# Altium PCB V5+_CORE_RC02.PcbDoc (part 2 of 3)
Units mm, origin at the board's own origin, x right, y up, seen from the top; angles counter-clockwise.
Board outline 33.75 x 33.75 mm, 6 copper layers (Top Layer, GND, S1, S2, POWER, Bottom Layer), stack 1.231 mm thick; 202 components, 273 nets, 965 pads, 543 vias.
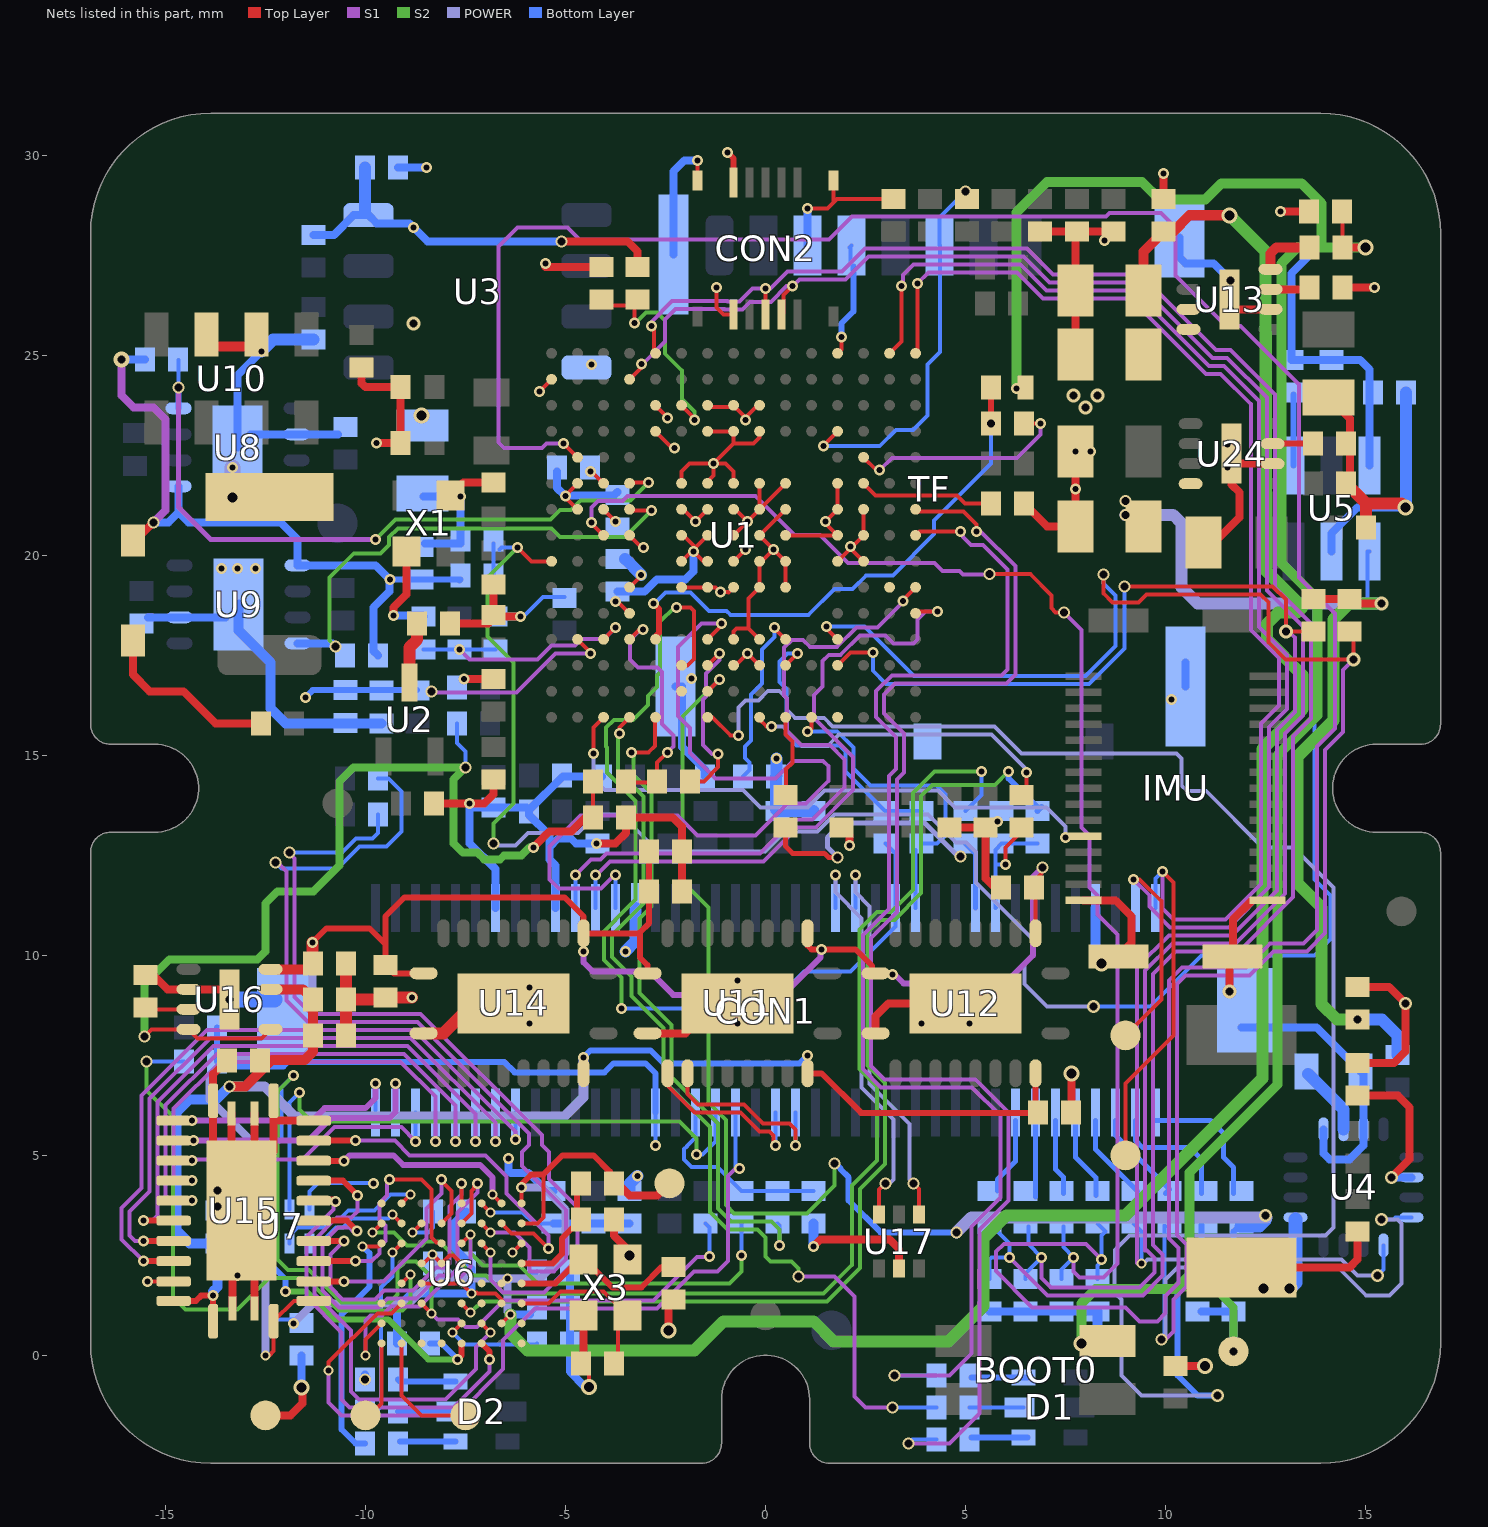
[diagram p6: the nets of this part, all layers, seen from the top]

## Via types
v1: diameter 0.275, hole 0.15, Top Layer to Bottom Layer, tented both sides, 374 vias
v2: diameter 0.3, hole 0.2, Top Layer to Bottom Layer, tented both sides, 85 vias
v3: diameter 0.25, hole 0.15, Top Layer to Bottom Layer, tented both sides, 26 vias
v4: diameter 0.325, hole 0.2, Top Layer to Bottom Layer, tented both sides, 15 vias
v5: diameter 0.35, hole 0.2, Top Layer to Bottom Layer, tented both sides, 15 vias
v6: diameter 0.4, hole 0.25, Top Layer to Bottom Layer, tented both sides, 14 vias
v7: diameter 0.4, hole 0.25, Top Layer to Bottom Layer, tented bottom, 7 vias
v8: diameter 0.4, hole 0.2, Top Layer to Bottom Layer, tented both sides, 2 vias
v9: diameter 0.5, hole 0.3, Top Layer to Bottom Layer, tented both sides, 2 vias
v10: diameter 0.6, hole 0.6, Top Layer to Bottom Layer, tented both sides, 2 vias
v11: diameter 0.55, hole 0.35, Top Layer to Bottom Layer, tented both sides, 1 vias

## Nets (pads, with @x,y where several pads share a name; then routed paths per layer and width w, separated by ;. In a path a pad name is that pad's centre, name@x,y a point inside that pad or via, vN(x,y) a via of type N, cw(c..) or ccw(c..) an arc to the next point about the centre after c; other vN are vias at no path point) (continued)
FMU_RSSI_IN: R27.1 U1.R5 | length 16.7
  Top Layer w0.1: v1(-3.351,15.075) -2.925,15.075 -2.763,15.237 -2.763,15.83 -2.817,15.883 U1.R5@-2.75,15.95
  S2 w0.1: v1(-3.351,15.075) -3.301,15.075 -3.301,14.508 -2.85,14.057 -2.85,11.217 -3.15,10.917 -3.15,9.06 -2.35,8.26 -2.35,6.957 -1.188,5.795 -1.188,3.67 -0.868,3.35 0.15,3.35 0.35,3.15 v1(0.35,2.75)
  Bottom Layer w0.1: R27.1@0.3,3.29 0.35,3.24 v1(0.35,2.75)
FMU_SAFETY_SWITCH_IN: R19.1 U1.R9 | length 8
  Top Layer w0.1: U1.R9@-0.15,15.9 0.024,15.725 v1(0.15,15.725) ; R19.1@6.5,14.01 6.525,14.035 v1(6.525,14.575)
  POWER w0.1: v1(0.15,15.725) 0.422,15.725 0.91,15.238 1.555,15.238 1.842,15.525 5.645,15.525 v1@6.525,14.644
FMU_SWCLK: CON1.2 FMU-SWCLK.0 U1.A14 | length 34.3
  Top Layer w0.1: U1.A14@3.1,25.05 3.4,25.35 v1(3.4,26.726) ; FMU-SWCLK.0@9,8 9.9,8.9 9.9,11.351 9.35,11.9 v1(9.2,11.9)
  S1 w0.1: v1(3.4,26.726) 3.437,26.763 3.437,27.012 3.7,27.275 6.368,27.275 7.018,26.625 9.204,26.625 11.091,24.737 11.459,24.737 12.338,23.859 12.338,18.212 13.038,17.512 13.038,16.162 12.588,15.712 12.588,11.704 11.584,10.7 10.117,10.7 9.6,11.217 9.6,11.5 9.251,11.849 v1(9.2,11.9)
FMU_SWDIO: CON1.1 FMU-SWDIO.0 U1.A15 | length 36.6
  Top Layer w0.1: U1.A15@3.75,25.05 3.8,25.1 v1(3.8,26.8) ; FMU-SWDIO.0@9,5 9,6.8 10.2,8 10.2,11.824 v1(9.925,12.1)
  S1 w0.1: v1(3.8,26.8) 4.074,27.075 6.285,27.075 6.935,26.425 9.121,26.425 11.008,24.537 11.376,24.537 12.138,23.776 12.138,18.129 12.838,17.429 12.838,16.245 12.388,15.795 12.388,11.787 11.501,10.9 10.2,10.9 9.925,11.175 v1(9.925,12.1)
  Bottom Layer w0.1: CON1.1@9.746,11.186 9.746,11.921 v1(9.925,12.1)
FMU_VDD_3V3_SPEKTRUM_EN: U1.B1 | length 0.4
  Top Layer w0.1: v1(-5.65,24.1) U1.B1@-5.35,24.4
GND: C1.1 C2.1 C3.2 C4.2 C5.1 C6.1 C7.1 C8.1 C9.1 C10.1 C11.1 C12.1 C13.1 C14.2 C15.2 C16.2 C17.C C18.1 C19.2 C20.2 C21.2 C22.2 C23.1 C24.2 C25.1 C26.1 C27.1 C28.1 C29.1 C30.2 C31.2 C32.1 C33.1 C34.1 C35.1 C36.1 C37.1 C38.2 C39.2 C40.2 C41.2 C42.2 C43.2 C44.1 C45.1 C46.2 C47.1 C48.1 C49.1 C50.1 C51.1 C52.2 C53.1 C54.2 C55.2 C56.1 C57.1 C58.1 C59.1 C60.2 C61.1 C62.1 C63.1 C64.1 C65.1 C66.1 C67.1 C69.2 C70.2 C71.1 C72.2 C73.2 CON1.4 CON1.27 CON1.31 CON1.34 CON1.PAD CON2.1 CON2.10 D5.2 GND.0 IMU.1 IMU.30 R3.2 R4.1 R6.1 R13.2 R14.2 R33.1 R36.1 R38.1 R63.2 R64.2 R70.2 R72.1 R78.2 R80.2 R83.2 R90.1 R93.1 R95.1 TF.6 TF.9 U1.D5 U1.D7 U1.D8 U1.D9 U1.F2 U1.F6 U1.F7 U1.F8 U1.F9 U1.F10 U1.F12 U1.G2 U1.G6 U1.G7 U1.G8 U1.G9 U1.G10 U1.G12 U1.H6 U1.H7 U1.H8 U1.H9 U1.H10 U1.H12 U1.J6 U1.J7 U1.J8 U1.J9 U1.J10 U1.K6 U1.K7 U1.K8 U1.K9 U1.K10 U1.L4 U1.M8 U1.M9 U3.4 U4.5 U4.9 U4.11 U5.2 U6.C2 U6.D4 U6.D5 U6.D6 U6.F1 U7.1 U7.4 U8.2 U9.2 U10.2 U10.3 U11.11 U11.21 U12.11 U12.21 U13.2 U14.11 U14.21 U15.11 U15.12 U15.13 U15.22 U16.2 U17.2 U24.2 X1.2 X1.4 X3.2 X3.4 | length 197.8
  Top Layer w0.1: v1(-15.457,1.843) U15.22@-14.799,1.843 ; U6.D6@-8.6,1.8 U6.D5@-8.1,1.8 U6.D4@-7.6,1.8 v3@-7.375,1.575 ; v3@-7.229,1.575 -7.204,1.55 -6.75,1.55 -6.6,1.4 U6.C2@-6.6,1.3 ; v3(-6.325,2.575) U6.F1@-6.1,2.8 ; U1.G2@-4.7,21.15 -5.001,21.45 v1(-5.001,21.476) -5.001,21.499 U1.F2@-4.7,21.8 ; v6(-4.41,-0.79) C24.2@-4.41,-0.2 ; v1@-3.7,18.849 U1.L4@-3.4,18.55 ; U1.D5@-2.75,23.1 -2.3,22.65 v1@-2.275,22.675 ; U1.K6@-2.1,19.2 U1.K7@-1.45,19.2 -1.249,19.2 v1(-1.125,19.076) -0.926,19.076 -0.925,19.075 U1.K8@-0.8,19.2 ; U1.J6@-2.1,19.85 -1.85,20.1 v1(-1.8,20.1) -1.55,19.85 U1.J7@-1.45,19.85 ; U1.F6@-2.1,21.8 -2.1,22.1 -1.9,22.3 v1(-1.3,22.3) ; U1.H6@-2.05,20.5 -1.8,20.25 -1.8,20.15 U1.H7@-1.45,20.5 ; U1.G6@-2.05,21.15 v1(-1.75,20.85) U1.G7@-1.45,21.15 ; CON2.10@-1.7,29.375 v1(-1.7,29.875) ; U1.F7@-1.5,21.8 -1.3,22 v1(-1.3,22.3) ; U1.D7@-1.45,23.1 U1.D8@-0.8,23.1 -0.8,22.8 ; v1(-1.225,26.7) -1.225,26.2 -1.05,26.025 CON2.1@-0.8,26.025 ; U1.M8@-0.8,17.9 -0.8,18.1 -0.725,18.175 -0.425,18.175 ; U1.J8@-0.8,19.85 v1(-0.5,20.15) ; U1.H8@-0.8,20.5 v1(-0.45,20.85) ; U1.G8@-0.8,21.15 -0.75,21.15 v1(-0.45,20.85) ; U1.F8@-0.8,21.8 -0.8,22.1 -1,22.3 v1(-1.3,22.3) ; U1.M9@-0.15,17.9 -0.425,18.175 ; U1.J9@-0.15,19.85 U1.K9@-0.15,19.2 -0.425,18.925 -0.425,18.175 ; U1.H9@-0.15,20.5 U1.G10@0.5,21.15 ; U1.F9@-0.15,21.8 U1.G9@-0.15,21.2 ; U1.D9@-0.15,23.1 -0.15,22.95 -0.3,22.8 -0.8,22.8 ; U1.J9@-0.1,19.85 v1(0.2,20.15) ; U1.H9@-0.1,20.45 v1(0.2,20.15) ; U1.K10@0.5,19.2 U1.J10@0.5,19.85 v1(0.2,20.15) ; U1.H10@0.5,20.5 U1.H12@1.8,20.5 1.5,20.8 v1(1.5,20.85) U1.G12@1.8,21.15 U1.F12@1.8,21.8 ; U1.F10@0.5,21.8 -0.1,21.2 U1.G9@-0.15,21.2 ; v1(1.05,28.675) 1.55,28.675 1.7,28.825 ; CON2.10@1.7,29.375 1.7,28.825 ; C62.1@3.2,28.91 1.785,28.91 1.7,28.825 ; v1(-1.3,22.3) -0.8,22.8 ; v1(-0.45,20.85) U1.G9@-0.15,21.15 U1.G9@-0.15,21.2
  Top Layer w0.15: v1(-0.95,30.075) -0.8,29.925 CON2.10@-0.8,29.325
  Top Layer w0.2: C60.2@-15.5,9.51 -15.31,9.51 -14.95,9.15 U16.2@-14.425,9.15 U16.2@-13.65,9.15 ; U15.22@-13.809,5.1 U15.13@-13.809,6.363 -13.809,7.026 C56.1@-13.46,7.375 ; U15.22@-13.35,4.786 U15.22@-13.35,6.05 ; U15.22@-13.325,1.175 U15.22@-13.325,2.438 ; U15.22@-12.775,1.175 U15.22@-12.775,2.438 ; U15.22@-12.775,4.786 U15.22@-12.775,6.05 ; GND.0@-12.5,-1.5 -11.875,-1.5 -11.575,-1.2 v7@-11.575,-0.825 ; U15.22@-12.297,5.1 U15.12@-12.297,6.363 ; -12.2,5.863 U15.11@-11.297,5.863 ; C49.1@-10.1,24.69 -10.1,24.3 -10.005,24.204 C21.2@-9.125,24.204 C20.2@-9.125,22.804 v1(-9.721,22.804) ; v1(-9.3,18.5) -9.3,18.7 -8.975,19.025 X1.4@-8.975,20.1 ; C33.1@-8.29,13.8 v1(-7.4,13.8) -7.025,13.8 -6.8,14.025 C48.1@-6.8,14.39 ; R33.1@-7.89,18.3 -6.932,18.3 -6.761,18.47 v1(-6.13,18.47) ; X1.2@-7.875,21.5 -7.55,21.825 C1.1@-6.805,21.825 ; v1(-7.535,16.91) C47.1@-6.8,16.91 ; R4.1@-6.796,18.51 C2.1@-6.796,19.275 ; v1@-5.5,27.21 R3.2@-4.1,27.21 ; C24.2@-4.55,-0.06 X3.4@-4.55,1 ; v1(-4.226,12.8) -3.75,12.8 -3.49,13.06 C7.1@-3.49,13.45 -2.325,13.45 -2.09,13.215 C53.1@-2.09,11.6 ; C12.1@-3.79,3.4 -3.79,2.99 -3.45,2.65 X3.2@-3.45,2.4 ; U11.11@-2.95,8.05 -2,8.05 -1.25,8.8 U11.21@-0.7,8.8 ; v6(-2.425,0.625) -2.425,1.265 C25.1@-2.3,1.39 ; v1(1.2,2.725) 1.375,2.9 3.1,2.9 3.341,2.659 U17.2@3.341,2.165 ; v1(2.1,12.74) C41.2@2.1,12.99 ; U12.11@2.75,8.05 2.75,8.475 3.075,8.8 U12.21@5,8.8 ; C40.2@4.6,13.19 R72.1@5.5,13.19 5.5,11.925 5.725,11.7 C50.1@5.89,11.7 ; C4.2@6.46,21.3 7.035,20.725 C72.2@7.75,20.725 v1(7.75,22.6) ; C63.1@6.7,28.09 C34.1@8.5,28.09 ; C51.1@7.635,6.075 7.65,6.09 v7(7.65,7.05) ; C15.2@7.75,25.025 C52.2@7.75,26.625 C71.1@7.75,27.94 ; IMU.30@7.95,11.375 8.75,11.375 9.15,10.975 9.15,10.305 IMU.1@8.82,9.975 ; C27.1@9.95,28.91 v1(9.95,29.55) ; R6.1@10.25,-0.265 v6(10.985,-0.265) ; C16.2@10.95,20.325 11.225,20.325 11.85,20.95 11.85,21.575 11.652,21.772 U24.2@11.652,22.539 ; v5(11.6,9.1) IMU.1@11.6,9.895 ; IMU.1@11.681,9.976 11.681,10.894 IMU.1@12.147,11.36 ; 11.85,26.15 U13.2@12.625,26.15 ; C17.C@11.9,2.197 14.597,2.197 14.8,2.4 C23.1@14.8,3.09 ; 11.902,22.289 U24.2@12.677,22.289 ; v1(12.875,28.6) C5.1@13.59,28.6 ; C55.2@14.075,23.95 14.61,23.415 C32.1@14.61,21.8 ; C31.2@14.42,26.7 v1(15.225,26.7) ; C18.1@14.8,7.31 15.71,7.31 16,7.6 v4(16,8.8) 15.59,9.21 C69.2@14.8,9.21
  Top Layer w0.25: U10.3@-13.975,25.224 U10.2@-12.725,25.224
  Top Layer w0.3: C59.1@-10.49,8 C64.1@-10.49,8.9 ; C61.1@-10.49,9.8 C64.1@-10.49,8.9 ; C57.1@-9.54,8.9 C64.1@-10.49,8.9 ; C57.1@-9.5,8.94 v1(-8.84,8.94) ; U14.11@-8.55,8.05 -8.05,8.05 -7.3,8.8 U14.21@-6.3,8.8 ; C55.2@14.075,23.95 C55.2@14.215,24.09 ; C32.1@14.51,21.8 15.01,21.299 ; C46.2@15.01,20.7 15.01,21.299 ; v7(16,21.2) 15.901,21.299 15.01,21.299
  POWER w0.4: v7(-13.325,21.45) v1(-13.325,22.2)
  Bottom Layer w0.1: C58.1@-13.9,3.55 -13.8,3.65 U7.1@-13,3.65 ; U7.4@-11.4,3.65 -11.4,4.1 -11.188,4.312 -9.813,4.312 v1(-9.8,4.3) ; v1(-6.13,18.47) -6.055,18.47 -5.565,18.96 R70.2@-5.025,18.96
  Bottom Layer w0.2: C45.1@-15.44,18.45 U9.2@-14.65,18.45 U9.2@-13.5,18.45 ; U8.2@-13.2,22.7 -13.2,24.5 v1(-12.6,25.1) ; U8.2@-12.875,23.025 U8.2@-11.725,23.025 C44.1@-10.685,23.025 ; v7(-11.6,-0.8) C30.2@-11.6,-0.01 ; v2(-10.01,-0.6) R95.1@-10.01,-0.485 ; v1(-9.3,18.5) -8.582,18.5 C38.2@-8.553,18.47 ; R38.1@-9.21,0.3 -9.21,1.19 -8.85,1.55 v3(-7.35,1.55) C26.1@-7.35,2.16 ; C8.1@-9.19,29.7 v1(-8.475,29.7) ; C14.2@-8.55,21.475 v1(-7.625,21.475) ; C10.1@-8.51,20.3 -7.62,20.3 v1@-7.62,21.47 ; C26.1@-7.49,2.3 -7.49,2.39 -7.8,2.7 -7.8,3.29 R80.2@-7.49,3.6 ; CON1.34@-6.754,11.186 -6.754,12.153 -7.4,12.8 -7.4,13.69 C36.1@-6.8,13.69 -5.97,13.69 -5.91,13.63 -5.065,14.475 C35.1@-4.085,14.475 ; R78.2@-6.753,18.47 v1(-6.13,18.47) ; v1(-6.425,4.925) -6.425,4.625 -6.362,4.562 -5.926,4.562 -5.473,4.11 R93.1@-5.3,4.11 ; C37.1@-5.91,13.6 -5.91,13.51 -5.4,13 -5.4,12.705 ; CON1.31@-5.254,11.186 -5.254,12.248 -5.4,12.394 -5.4,12.705 ; C6.1@-5.21,22.1 -5.21,21.685 -5.025,21.5 -3.785,21.5 C11.1@-3.7,21.585 ; C65.1@-4.89,2.1 C66.1@-4.89,1.2 R90.1@-4.89,0.3 -4.89,-0.41 -4.51,-0.79 v6(-4.41,-0.79) ; v1(-4.226,12.8) -4.724,12.8 -4.735,12.79 -4.87,12.925 -5.181,12.925 -5.4,12.705 ; C9.1@-3.7,19.09 -3.023,19.09 -2.713,19.4 -2,19.4 -1.8,19.6 v1(-1.8,20.1) ; TF.6@-2.3,27.525 -2.3,29.6 -2.025,29.875 v1(-1.7,29.875) ; TF.9@-2.25,16.725 -2.088,16.725 -2.088,15.212 -1.515,14.64 R14.2@-1.515,14.475 ; TF.6@1.05,27.75 v1(1.05,28.675) ; TF.6@10.35,27.95 10.35,27.45 10.5,27.3 11.2,27.3 v2(11.625,26.875) ; TF.6@10.5,16.725 TF.6@10.5,17.325 ; CON1.PAD@11.9,8.2 13.775,8.2 C19.2@14.875,7.1 14.95,7.025 U4.11@14.95,5.65 14.95,5.25 14.6,4.9 14.1,4.9 13.95,5.05 U4.9@13.95,5.65 ; U5.2@14.15,20.1 14.15,20.55 14.8,21.2 v7(16,21.2)
  Bottom Layer w0.25: U9.2@-13.175,18.775 -13.175,18.125 -12.375,17.325 -12.375,16.175 -12,15.8 R36.1@-9.6,15.8 ; v1(1.2,2.725) C43.2@1.2,3.29 ; CON1.4@8.246,11.186 8.246,10.046 8.4,9.892 v6(8.4,9.8)
  Bottom Layer w0.3: v1(-12.6,25.1) -12.31,25.39 C28.1@-11.3,25.39 ; v1(-3.5,10.1) -3.254,10.346 CON1.27@-3.254,11.186 ; C54.2@-3.4,4.11 -3.4,4.287 v1(-3.2,4.487) ; v1(0.275,14.925) 0.275,14.49 C3.2@0.26,14.475 0.26,13.65 C29.1@0.3,13.61 R64.2@1.2,13.61 ; v7@16.01,21.21 C22.2@16.01,24.075
  Bottom Layer w0.35: v7(13.1,1.675) 13.25,1.825 U4.5@13.25,3.4
  Bottom Layer w0.4: v5(-13.4,8.9) CON1.PAD@-12.275,8.9
  other v1: -13.2,2 -5.9,8.3 -0.7,8.3 3.9,8.3 5.1,8.3 -5.9,9.2 -0.7,9.375 5.8,13.35 10.15,16.4 -1.85,16.925 -3.751,18.851 -13.6,19.675 -13.2,19.675 -12.75,19.675 7.75,21.662 11.552,22.2 8.125,22.6 -2.275,22.676 11.55,22.775 -4.35,24.775 11.625,26.175 -5.5,27.3 8.475,27.875
  other v2: -13.7,3.725 -13.7,4.125
  other v5: -8.8,25.8
  other v7: 12.45,1.675 -3.4,2.5
GPIO_CAN1_SILENT_S0: R1.1 U1.F4 U8.8 | length 17.4
  Top Layer w0.1: U1.F4@-3.4,21.8 -3.375,21.825 v1(-2.925,21.825)
  S1 w0.125: v2(-14.675,24.2) -14.675,21.2 -13.875,20.4 v1(-9.75,20.4)
  S2 w0.1: v1(-9.75,20.4) -9.25,20.9 -5.378,20.9 -5.14,21.137 -4.862,21.137 -4.624,21.375 -3.375,21.375 v1(-2.925,21.825)
  Bottom Layer w0.1: v2(-14.675,24.2) R1.1@-14.675,24.885
  Bottom Layer w0.15: U8.8@-14.675,23.675 v2(-14.675,24.2)
GPIO_CAN2_SILENT_S1: R18.1 U1.G4 U9.8 | length 12.4
  Top Layer w0.1: U1.G4@-3.4,21.15 -3.375,21.125 v1(-2.85,21.125)
  S2 w0.1: v2(-10.75,17.725) -10.9,17.875 -10.9,19.444 -10.295,20.05 -9.623,20.05 -9.413,20.26 -9.413,20.454 -9.193,20.675 -5.353,20.675 -5.14,20.462 -3.513,20.462 v1(-2.85,21.125)
  Bottom Layer w0.1: v2@-10.825,17.8 v2(-10.75,17.725)
  Bottom Layer w0.2: U9.8@-11.7,17.8 v2@-10.825,17.8
GPIO_CAN3_SILENT_S2: U1.H4 | length 0.4
  Top Layer w0.1: U1.H4@-3.4,20.5 v1@-3.1,20.2
  other v1: -3.05,20.2
GPS1_RX: CON1.62 U11.13 | length 4.7
  Top Layer w0.1: U11.13@-1.95,7.05 -1.95,6.532 -1.693,6.275 -0.543,6.275 -0.068,5.8 0.6,5.8 0.75,5.65 v1(0.75,5.25)
  Bottom Layer w0.1: v1@0.75,5.35 CON1.62@0.75,6.07
GPS1_TX: CON1.61 U11.12 | length 4.4
  Top Layer w0.1: U11.12@-2.45,7.05 -2.45,6.75 -1.775,6.075 -0.625,6.075 -0.15,5.6 0.1,5.6 0.2,5.5 v1@0.2,5.3
  Bottom Layer w0.1: v1@0.25,5.35 CON1.61@0.25,6.07
  other v1: 0.25,5.25
HEATER: IMU.26 U1.R3 | length 15
  Top Layer w0.1: v1(-4.301,15.05) -4.301,15.699 U1.R3@-4.05,15.95 ; v1(7.5,12.95) 7.925,12.95 IMU.26@7.95,12.975
  POWER w0.1: v1(-4.301,15.05) -4.301,14.425 -4.013,14.137 -0.564,14.137 -0.126,13.7 1.047,13.7 1.472,14.125 4.309,14.125 4.734,13.7 7.025,13.7 7.5,13.224 v1(7.5,12.95)
HW_REV_DRIVE: R69.1 U1.E13 | length 5.6
  Top Layer w0.1: U1.E13@2.45,22.45 2.774,22.126 v1(2.85,22.126) ; R69.1@6.46,23.3 v1(6.875,23.3)
  S1 w0.1: v1(2.85,22.126) 3.161,22.437 6.287,22.437 6.875,23.025 v1(6.875,23.3)
HW_REV_SENSE: R68.1 R69.2 U1.M5 | length 13.5
  Top Layer w0.15: v1(-2.8,18.8) -2.663,18.662 -2.663,18.06 -2.737,17.986 -2.7,17.95 U1.M5@-2.75,17.9 ; v2(5.64,23.3) R68.1@5.64,24.2
  Bottom Layer w0.1: v1@-2.8,18.775 v1@-2.775,18.8 ; v1(-2.8,18.8) v1@-2.775,18.8 ; v2(5.64,23.3) 5.64,22.291 4.212,20.864 4.212,20.531 3.182,19.5 2.517,19.5 2.179,19.162 1.728,19.162 1.079,18.513 -0.871,18.513 -0.971,18.613 -1.413,18.613 -1.875,19.075 -2.5,19.075 v1@-2.775,18.8
HW_VER_DRIVE: R67.1 U1.N7 | length 4.5
  Top Layer w0.1: R67.1@-1.89,14.35 -1.54,14.35 -1.184,14.707 v1(-1.184,15.037) ; U1.N7@-1.45,17.25 v1(-1.15,17.55)
  S1 w0.1: v1(-1.184,15.037) -1.338,15.037 -1.563,15.262 -1.563,16.39 -1.488,16.465 -1.488,17.039 -1.15,17.377 v1(-1.15,17.55)
HW_VER_SENSE: R66.1 R67.2 U1.M4 | length 6.2
  Top Layer w0.1: R66.1@-3.49,14.325 -2.71,14.325 -2.71,14.816 v1(-2.45,15.075) ; U1.M4@-3.4,17.9 -3.15,18.15 v1(-3.062,18.15)
  S1 w0.1: v1(-3.062,18.15) -3.062,18.187 -3.075,18.2 -3.388,17.887 -3.388,17.4 -3.188,17.2 -2.7,17.2 -2.588,17.087 -2.588,15.787 -2.3,15.5 -2.3,15.226 v1(-2.45,15.075)
I2C1_SCL: CON1.73 R48.2 | length 1.9
  Bottom Layer w0.125: R48.2@5.8,4.109 5.8,4.4 6.25,4.85 CON1.73@6.25,5.87
I2C1_SCL_GPS1: CON2.3 R29.1 R48.1 U1.A5 | length 50.7
  Top Layer w0.1: v1(-2.85,25.726) -2.788,25.663 -2.788,25.087 U1.A5@-2.75,25.05 ; CON2.3@0,26.025 v1(0,26.675)
  S1 w0.1: v1@-2.85,25.675 v1(-2.85,25.726) -2.85,25.835 -2.334,26.351 -0.947,26.351 -0.945,26.35 -0.655,26.35 -0.33,26.675 v1(0,26.675) 0.125,26.675 0.55,27.1 1.917,27.1 2.492,27.675 6.534,27.675 7.184,27.025 9.369,27.025 11.257,25.137 11.625,25.137 12.738,24.024 12.738,19.198 13.638,18.298 13.638,15.914 13.188,15.464 13.188,11.455 11.832,10.1 10.251,10.1 9.688,9.536 9.688,2.755 9.925,2.517 9.925,2.083 ; v1(6.1,2.45) 7.05,1.5 9.432,1.5 9.925,1.992 9.925,2.082
  Bottom Layer w0.1: R29.1@5.6,1.91 5.6,2.4 5.65,2.45 v1(6.1,2.45) 6.1,2.79 R48.1@5.8,3.09
I2C1_SDA: CON1.74 R44.2 | length 1.9
  Bottom Layer w0.125: R44.2@6.75,3.96 CON1.74@6.75,5.87
I2C1_SDA_GPS1: CON2.4 R30.1 R44.1 U1.B4 | length 50
  Top Layer w0.1: U1.B4@-3.4,24.4 -3.076,24.725 v1@-3.076,24.776 ; CON2.4@0.4,26.025 0.45,26.075 0.45,26.501 v1(0.675,26.726)
  S1 w0.1: v1@-3.101,24.751 -2.513,25.338 -2.513,25.889 -2.251,26.151 -1.029,26.151 -1.028,26.15 -0.573,26.15 -0.385,26.337 0.139,26.337 0.528,26.726 v1(0.675,26.726) 0.848,26.9 2,26.9 2.575,27.475 6.451,27.475 7.101,26.825 9.287,26.825 11.174,24.937 11.542,24.937 12.538,23.941 12.538,19.116 13.438,18.215 13.438,15.996 12.988,15.546 12.988,11.538 11.749,10.3 10.168,10.3 9.488,9.619 9.488,2.625 9.535,2.625 9.725,2.435 9.725,2.165 ; v1(6.9,2.45) 6.9,1.932 7.132,1.7 9.35,1.7 9.725,2.075 9.725,2.165
  Bottom Layer w0.1: R30.1@6.5,1.91 6.5,2.05 v1(6.9,2.45) 6.572,2.777 R44.1@6.572,3.225
  other v1: -3.101,24.776
I2C2_SCL: CON1.75 R47.2 | length 1.9
  Bottom Layer w0.125: CON1.75@7.25,5.87 7.25,4.65 7.447,4.452 R47.2@7.447,4.045
I2C2_SCL_UART4: R15.1 R47.1 U1.H3 | length 34.2
  Top Layer w0.1: v1@-4.35,20.8 U1.H3@-4.05,20.5 ; v2(5.599,19.526) 6.624,19.526 7.15,19 7.15,18.676 7.251,18.575 v2(7.463,18.575)
  S1 w0.1: v1@-4.35,20.8 v1(-4.35,20.825) -4.35,21.2 -4.188,21.362 -3.58,21.362 -3.455,21.487 -0.255,21.487 0.72,20.512 1.36,20.512 2.06,19.812 4.227,19.812 4.427,19.612 4.854,19.612 4.941,19.525 5.624,19.525 5.623,19.526 v2(5.599,19.526) ; v2(7.463,18.575) 7.9,18.138 7.9,13.2 8.1,13 8.1,11.7 8.3,11.5 8.3,11.017 8.8,10.517 8.8,2.3 8.45,1.95 7.85,1.95 7.7,2.1 v1(7.7,2.45)
  Bottom Layer w0.1: R15.1@7.4,1.91 7.4,2.15 v1(7.7,2.45) 7.447,2.702 R47.1@7.447,3.225
I2C2_SDA: CON1.76 R43.2 | length 2.1
  Bottom Layer w0.125: CON1.76@7.75,5.87 7.75,4.95 8.255,4.445 R43.2@8.255,4
I2C2_SDA_UART4: R16.1 R43.1 U1.E2 | length 66.9
  Top Layer w0.1: v1@-5.025,22.775 U1.E2@-4.7,22.45
  S1 w0.1: v1(-5.05,22.8) -5.475,22.8 -5.588,22.687 -6.538,22.687 -6.675,22.825 -6.675,27.725 -6.2,28.2 -4.955,28.2 -4.655,27.9 1.585,27.9 2.16,28.475 8.515,28.475 8.6,28.56 9.89,28.56 10.25,28.2 10.25,26.993 11.505,25.737 11.873,25.737 13.337,24.273 13.337,19.447 14.238,18.547 14.238,15.665 13.788,15.215 13.788,10.635 13.452,10.3 12.617,10.3 12.017,9.7 10.417,9.7 10.088,9.37 10.088,2.921 10.325,2.683 10.325,1.917 10.325,1.807 10,1.483 10,1.055 9.795,0.85 9.35,0.85 9,1.2 6.667,1.2 5.762,2.104 5.762,2.589 5.96,2.787 8.013,2.787 v1(8.4,2.4)
  Bottom Layer w0.1: R16.1@8.3,1.91 8.3,2.25 8.4,2.35 v1(8.4,2.4) 8.4,2.991 8.5,3.09 R43.1@8.3,3.29
I2C3_SCL: CON1.77 R37.2 | length 2.2
  Bottom Layer w0.125: CON1.77@8.25,5.87 8.25,5.15 R37.2@9.3,4.1
I2C3_SCL_EXTERNAL3: R37.1 R58.1 U1.N12 U4.1 | length 42.2
  Top Layer w0.1: U1.N12@1.8,17.25 2.125,17.575 v1(2.687,17.575) ; v2(8.975,19.225) 12.675,19.225 13.01,18.89 v5(13.01,18.09) R58.1@13.7,18.09
  S1 w0.1: v3(9.4,2.3) 9.299,2.3 9.288,2.312 9.288,9.702 10.085,10.5 11.666,10.5 12.788,11.621 12.788,15.629 13.238,16.079 13.238,17.938 13.01,18.166 v5(13.01,18.09)
  POWER w0.1: v3(9.4,2.3) 9.45,2.3 9.55,2.4 14.4,2.4 14.8,2 v4(15.3,2)
  Bottom Layer w0.1: v1(2.687,17.575) 2.687,17.113 3.013,16.787 8.087,16.787 8.975,17.675 v2(8.975,19.225) ; R37.1@9.2,3.29 9.4,3.09 v3(9.4,2.3) ; v4(15.3,2) 15.45,2.15 U4.1@15.45,2.75
I2C3_SDA: CON1.78 R26.2 | length 2.4
  Bottom Layer w0.125: CON1.78@8.75,5.87 8.75,5.498 10.1,4.148 R26.2@9.997,4.045
I2C3_SDA_EXTERNAL3: R26.1 R59.1 U1.M12 U4.16 | length 53.6
  Top Layer w0.1: v1(1.525,18.225) 1.525,18.175 U1.M12@1.8,17.9 ; v2@8.475,19.55 v2(8.45,19.525) 8.45,19.05 8.675,18.825 9.325,18.825 9.525,19.025 12.371,19.025 12.58,18.816 12.58,17.82 13,17.4 v5(14.7,17.4) 14.7,17.989 R59.1@14.6,18.09
  S1 w0.1: v2@10.025,0.425 10.2,0.6 10.2,1.4 10.525,1.725 10.525,1.834 ; 10.525,1.834 10.525,2.766 10.288,3.003 10.288,9.288 10.5,9.5 12.1,9.5 12.7,10.1 13.535,10.1 13.988,10.553 13.988,15.132 14.438,15.582 14.438,17.138 v5(14.7,17.4)
  POWER w0.1: v2(9.9,0.4) 10,0.5 10,1.9 10.3,2.2 14.317,2.2 15.017,1.5 15.6,1.5 15.9,1.8 15.9,3.3 15.8,3.4 v4(15.4,3.4)
  Bottom Layer w0.1: v1(1.525,18.225) 2.479,18.225 3.716,16.987 8.004,16.987 8.75,17.732 8.75,18.99 8.45,19.29 v2(8.45,19.525) ; v2(9.9,0.4) 9.975,0.475 9.975,3.247 R26.1@9.997,3.225 ; v4(15.4,3.4) 15.7,3.4 15.75,3.45 U4.16@16.15,3.45
I2C4_SCL: CON1.79 R28.2 | length 3.2
  Bottom Layer w0.125: CON1.79@9.25,5.87 9.25,5.368 9.418,5.2 10.6,5.2 10.9,4.9 R28.2@10.9,4.045
I2C4_SCL_EXTERNAL2: R25.1 R28.1 U1.R7 | length 44.8
  Top Layer w0.1: U1.R7@-1.45,15.95 -1.321,15.95 -0.871,15.5 v1(-0.675,15.5)
  POWER w0.1: v1(-0.675,15.5) -0.675,16.2 -0.5,16.375 -0.178,16.375 0.06,16.613 0.339,16.613 0.537,16.415 0.537,16.136 0.735,15.938 1.461,15.938 1.675,15.725 5.727,15.725 6.402,15.05 10.275,15.05 10.4,14.925 10.4,14.249 10.535,14.113 11.011,14.113 12.424,12.7 13.2,12.7 14.2,11.7 14.2,3.2 14,3 9.1,3 8.737,2.637 8.737,2.26 8.727,2.25 8.727,1.573 8.9,1.4 8.9,-0.5 9.4,-1 v4(11.3,-1)
  Bottom Layer w0.15: R28.1@10.9,3.29 10.9,1.91 10.51,1.91 10.3,1.7 10.3,-0.5 10.8,-1 v4(11.3,-1)
I2C4_SDA: CON1.80 R39.2 | length 3.4
  Bottom Layer w0.125: CON1.80@9.75,5.87 11.13,5.87 11.45,5.55 11.45,4.95 11.7,4.7 R39.2@11.7,4.045
I2C4_SDA_EXTERNAL2: R24.1 R39.1 U1.P7 | length 32.3
  Top Layer w0.1: U1.P7@-1.45,16.6 v1(-1.15,16.9)
  S2 w0.1: v1(-1.15,16.9) -2.075,15.975 -2.075,11.85 -1.425,11.2 -1.425,6.315 -0.988,5.878 -0.988,3.753 -0.785,3.55 1.034,3.55 1.725,4.24 v2(1.725,4.8)
  POWER w0.3: v2(4.775,3.075) 5.15,3.45 v4@12.525,3.45
  Bottom Layer w0.1: v2(1.725,4.8) v2@1.75,4.8
  Bottom Layer w0.15: v2@1.75,4.8 1.875,4.675 1.875,4.655 2.08,4.45 2.08,3.87 2.875,3.075 v2(4.775,3.075) ; R24.1@11.7,1.91 11.7,3.09 R39.1@11.9,3.29
  Bottom Layer w0.3: R39.1@11.872,3.225 12.35,3.225 12.5,3.375 v4(12.5,3.5)
IMU_3V3: C69.1 C72.1 L1.2 R58.2 R59.2 U24.8 | length 24.3
  Top Layer w0.2: R58.2@13.7,18.91 R59.2@14.6,18.91 14.709,18.8 v5(15.4,18.8)
  S2 w0.3: v4(14.8,8.39) 14.29,8.39 13.9,8.78 13.9,11.2 13.3,11.8 13.3,14.97 14.2,15.87 14.2,18.4 14.6,18.8 v5(15.4,18.8)
  POWER w0.3: v2(8.997,21.01) 10.189,21.01 10.4,20.799 10.4,19.2 10.8,18.8 v5(15.4,18.8)
  Bottom Layer w0.3: v4(14.8,8.39) 15.41,8.39 15.8,8 L1.2@15.8,7.51
  other v2: 8.997,21.36
IO-CH1: U6.G2 U15.10 | length 8.9
  Top Layer w0.1: U6.G2@-6.6,3.3 -6.35,3.05 -5.8,3.05 v1(-5.425,2.675)
  Top Layer w0.15: U15.10@-11.297,5.363 v1(-10.249,5.363)
  S1 w0.1: v1(-10.249,5.363) -9.264,5.363 -8.9,5 -7,5 -6.475,4.475 -6.475,4.05 -5.425,2.999 v1(-5.425,2.675)
IO-CH1-PORT: CON1.41 U15.14 | length 6.4
  Top Layer w0.15: U15.14@-14.799,5.863 v1(-14.337,5.863)
  S1 w0.15: v1(-14.337,5.863) -11.337,5.863 -11.024,6.176 -10,6.176 -9.75,6.426 v1(-9.75,6.791)
  Bottom Layer w0.1: CON1.41@-9.75,6.07 v1(-9.75,6.791)
IO-CH2: U6.H2 U15.9 | length 5.5
  Top Layer w0.1: v3(-6.825,4.025) U6.H2@-6.6,3.8
  Top Layer w0.15: U15.9@-11.297,4.855 v1(-10.544,4.855)
  S1 w0.15: v1(-10.544,4.855) -10.4,5 -9.3,5 -9.063,4.762 -7.138,4.762 -6.825,4.45 v3(-6.825,4.025)
IO-CH2-PORT: CON1.42 U15.15 | length 7.3
  Top Layer w0.15: U15.15@-14.799,5.363 v1(-14.302,5.363)